# KiCad board rabbit_mask.kicad_pcb (continued)
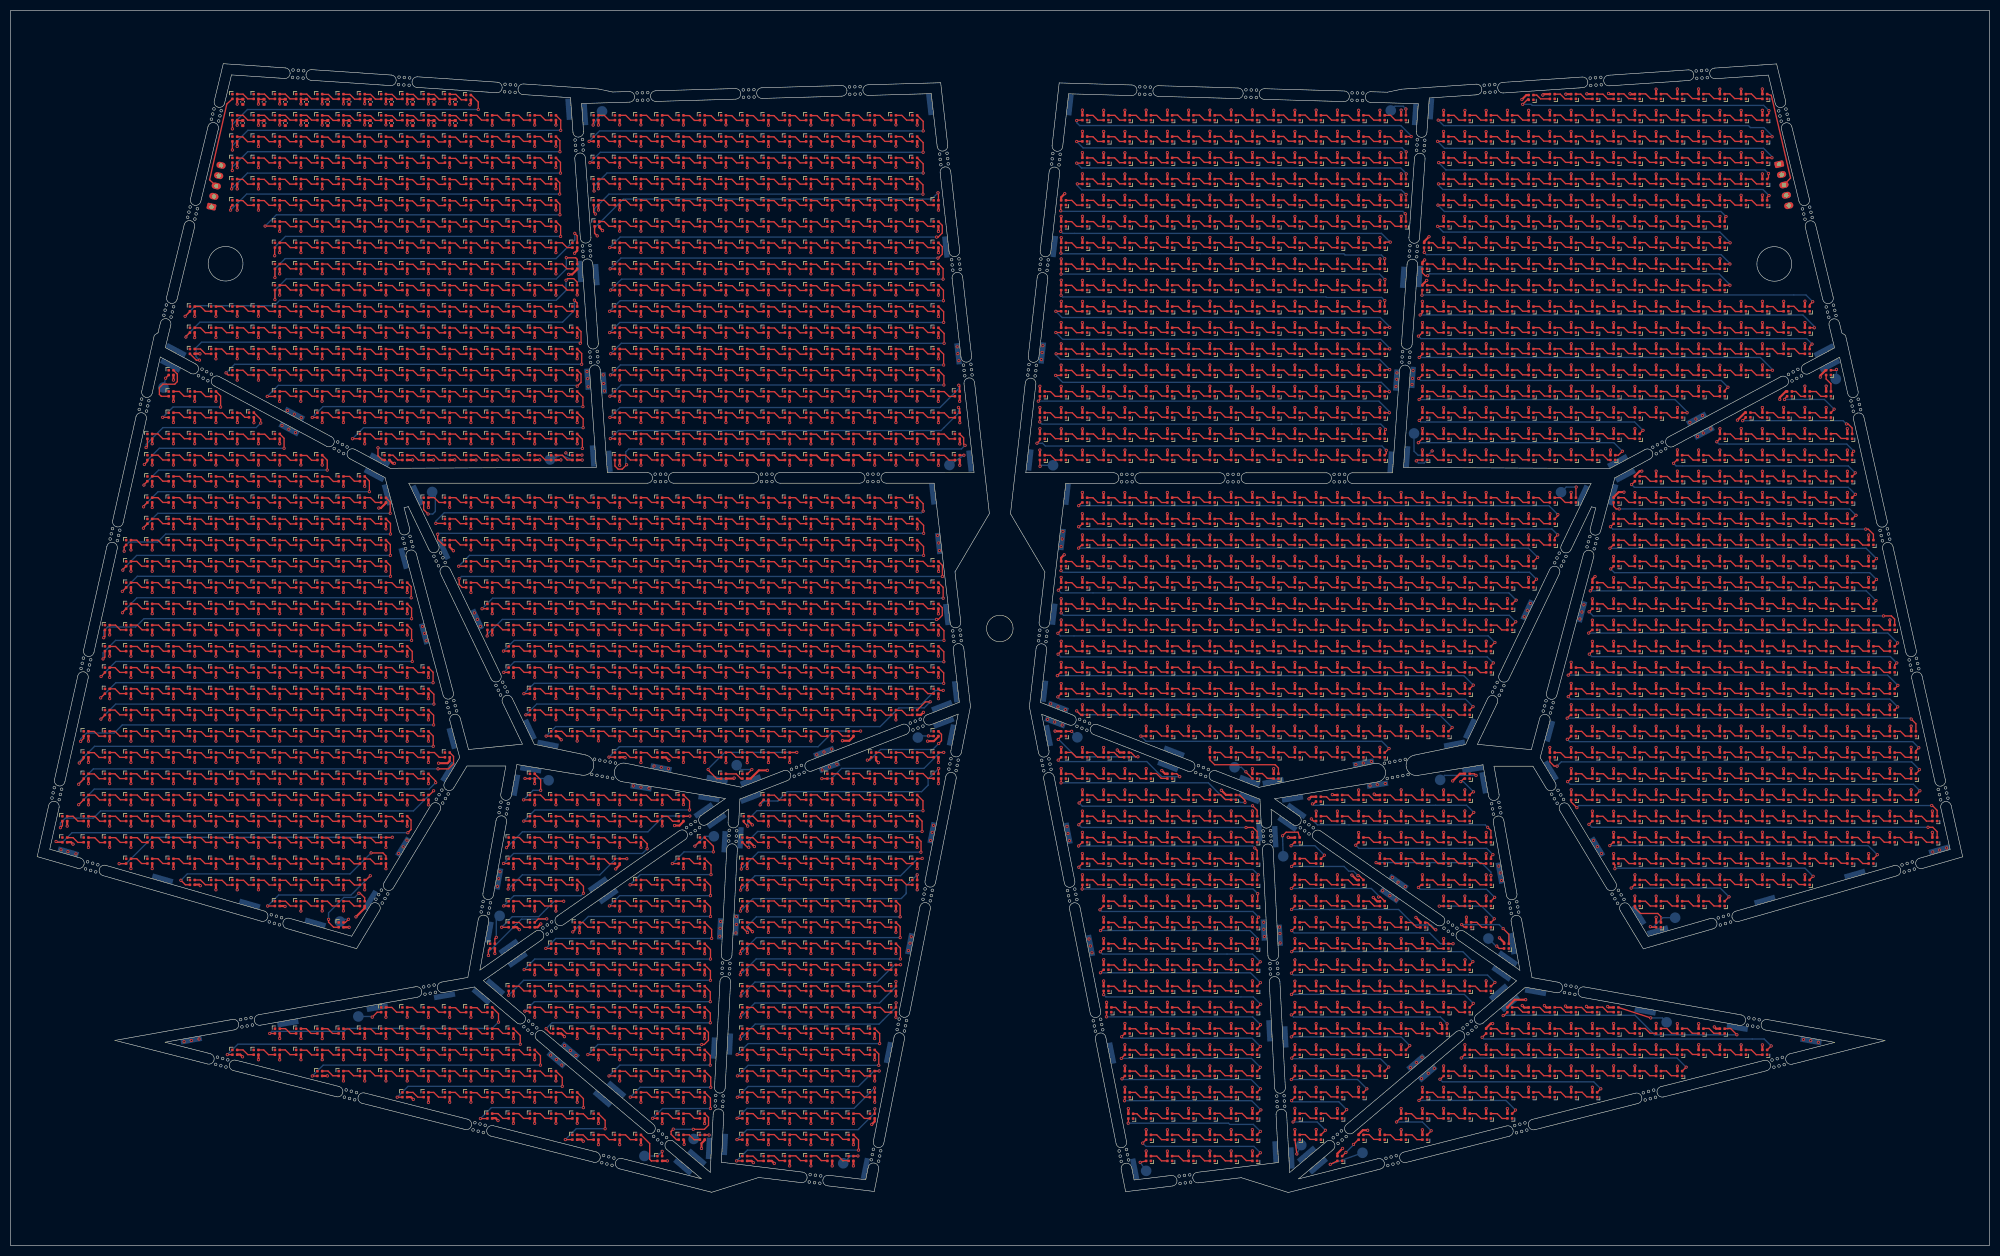
[diagram p0: board, top side]
## Routing (per net, layer and track width the routed paths; a pad name or vN(x,y) marks a point on that pad's centre or on a via; arc(x,y) is an arc through that point) (continued)
Net-(D2230-DIN): length 3.5
  Top w0.25: 234.56,124.85 235.66,124.85 236.56,123.95 237.66,123.95
Net-(D2231-DIN): length 3.5
  Top w0.25: 241.71,123.95 240.61,123.95 239.71,124.85 238.61,124.85
Net-(D2232-DIN): length 3.5
  Top w0.25: 245.76,123.9 244.66,123.9 243.76,124.8 242.66,124.8
Net-(D2233-DIN): length 3.5
  Top w0.25: 249.81,123.9 248.71,123.9 247.81,124.8 246.71,124.8
Net-(D2234-DIN): length 3.5
  Top w0.25: 253.71,123.9 252.61,123.9 251.71,124.8 250.61,124.8
Net-(D2235-DIN): length 3.5
  Top w0.25: 257.76,123.9 256.66,123.9 255.76,124.8 254.66,124.8
Net-(D2236-DIN): length 3.5
  Top w0.25: 261.74,123.9 260.64,123.9 259.74,124.8 258.64,124.8
Net-(D2237-DIN): length 3.5
  Top w0.25: 262.69,124.8 263.79,124.8 264.69,123.9 265.79,123.9
Net-(D2238-DIN): length 3.5
  Top w0.25: 266.59,124.8 267.69,124.8 268.59,123.9 269.69,123.9
Net-(D2239-DIN): length 3.5
  Top w0.25: 270.64,124.8 271.74,124.8 272.64,123.9 273.74,123.9
Net-(D2240-DIN): length 3.5
  Top w0.25: 277.76,123.9 276.66,123.9 275.76,124.8 274.66,124.8
Net-(D2241-DIN): length 3.5
  Top w0.25: 278.71,124.8 279.81,124.8 280.71,123.9 281.81,123.9
Net-(D2242-DIN): length 3.5
  Top w0.25: 285.71,123.9 284.61,123.9 283.71,124.8 282.61,124.8
Net-(D2244-DIN): length 3.5
  Top w0.25: 298.65,124.8 299.75,124.8 300.65,123.9 301.75,123.9
Net-(D2244-DOUT): length 56.2
  Top w0.25: D2293.1 351.12,121.29 v1(351.12,121.44) ; v1(297.35,123.26) 297.75,123.66 D2244.3
  Bottom w0.25: v1(297.35,123.26) 349.3,123.26 v1(351.12,121.44)
Net-(D2245-DIN): length 3.5
  Top w0.25: 305.85,123.9 304.75,123.9 303.85,124.8 302.75,124.8
Net-(D2246-DIN): length 3.5
  Top w0.25: 309.85,123.9 308.75,123.9 307.85,124.8 306.75,124.8
Net-(D2247-DIN): length 3.5
  Top w0.25: 310.65,124.8 311.75,124.8 312.65,123.9 313.75,123.9
Net-(D2248-DIN): length 3.5
  Top w0.25: 314.6,124.85 315.7,124.85 316.6,123.95 317.7,123.95
Net-(D2249-DIN): length 3.5
  Top w0.25: 318.7,124.85 319.8,124.85 320.7,123.95 321.8,123.95
Net-(D2250-DIN): length 3.5
  Top w0.25: 322.7,124.85 323.8,124.85 324.7,123.95 325.8,123.95
Net-(D2251-DIN): length 3.5
  Top w0.25: 326.6,124.85 327.7,124.85 328.6,123.95 329.7,123.95
Net-(D2252-DIN): length 3.5
  Top w0.25: 333.75,123.95 332.65,123.95 331.75,124.85 330.65,124.85
Net-(D2253-DIN): length 3.5
  Top w0.25: 337.65,123.95 336.55,123.95 335.65,124.85 334.55,124.85
Net-(D2254-DIN): length 3.5
  Top w0.25: 338.6,124.85 339.7,124.85 340.6,123.95 341.7,123.95
Net-(D2255-DIN): length 3.5
  Top w0.25: 345.75,123.9 344.65,123.9 343.75,124.8 342.65,124.8
Net-(D2256-DIN): length 3.5
  Top w0.25: 349.8,123.9 348.7,123.9 347.8,124.8 346.7,124.8
Net-(D2258-DIN): length 3.5
  Top w0.25: 198.66,120.8 199.76,120.8 200.66,119.9 201.76,119.9
Net-(D2258-DOUT): length 88
  Top w0.25: v1(197.75,119.11) D2258.3 ; D2315.1 282.7,116.81 v1(283.32,117.44)
  Bottom w0.25: v1(283.32,117.44) 282.1,118.66 198.2,118.66 v1(197.75,119.11)
Net-(D2259-DIN): length 3.5
  Top w0.25: 205.86,119.9 204.76,119.9 203.86,120.8 202.76,120.8
Net-(D2260-DIN): length 3.5
  Top w0.25: 209.86,119.9 208.76,119.9 207.86,120.8 206.76,120.8
Net-(D2261-DIN): length 3.5
  Top w0.25: 210.66,120.8 211.76,120.8 212.66,119.9 213.76,119.9
Net-(D2262-DIN): length 3.5
  Top w0.25: 214.61,120.85 215.71,120.85 216.61,119.95 217.71,119.95
Net-(D2263-DIN): length 3.5
  Top w0.25: 221.81,119.95 220.71,119.95 219.81,120.85 218.71,120.85
Net-(D2264-DIN): length 3.5
  Top w0.25: 222.71,120.85 223.81,120.85 224.71,119.95 225.81,119.95
Net-(D2265-DIN): length 3.5
  Top w0.25: 226.61,120.85 227.71,120.85 228.61,119.95 229.71,119.95
Net-(D2266-DIN): length 3.5
  Top w0.25: 233.76,119.95 232.66,119.95 231.76,120.85 230.66,120.85
Net-(D2267-DIN): length 3.5
  Top w0.25: 237.66,119.95 236.56,119.95 235.66,120.85 234.56,120.85
Net-(D2268-DIN): length 3.5
  Top w0.25: 241.71,119.95 240.61,119.95 239.71,120.85 238.61,120.85
Net-(D2269-DIN): length 3.5
  Top w0.25: 245.76,119.9 244.66,119.9 243.76,120.8 242.66,120.8
Net-(D2270-DIN): length 3.5
  Top w0.25: 249.81,119.9 248.71,119.9 247.81,120.8 246.71,120.8
Net-(D2271-DIN): length 3.5
  Top w0.25: 253.71,119.9 252.61,119.9 251.71,120.8 250.61,120.8
Net-(D2272-DIN): length 3.5
  Top w0.25: 257.76,119.9 256.66,119.9 255.76,120.8 254.66,120.8
Net-(D2273-DIN): length 3.5
  Top w0.25: 258.63,120.81 259.73,120.81 260.63,119.91 261.73,119.91
Net-(D2274-DIN): length 3.5
  Top w0.25: 265.78,119.91 264.68,119.91 263.78,120.81 262.68,120.81
Net-(D2275-DIN): length 3.5
  Top w0.25: 266.58,120.81 267.68,120.81 268.58,119.91 269.68,119.91
Net-(D2276-DIN): length 3.5
  Top w0.25: 273.73,119.91 272.63,119.91 271.73,120.81 270.63,120.81
Net-(D2277-DIN): length 3.5
  Top w0.25: 277.74,119.89 276.64,119.89 275.74,120.79 274.64,120.79
Net-(D2278-DIN): length 3.5
  Top w0.25: 281.79,119.89 280.69,119.89 279.79,120.79 278.69,120.79
Net-(D2280-DIN): length 3.5
  Top w0.25: D2281.3 300.65,119.91 299.75,120.81 D2280.1
Net-(D2280-DOUT): length 60.1
  Top w0.25: v1(352.55,118.54) 354.04,118.54 354.65,117.92 D2330.1 ; D2280.3 297.15,119.31 v1(297.12,119.31)
  Bottom w0.25: v1(297.12,119.31) 297.9,118.54 v1(352.55,118.54)
Net-(D2281-DIN): length 3.5
  Top w0.25: 305.85,119.91 304.75,119.91 303.85,120.81 302.75,120.81
Net-(D2282-DIN): length 3.5
  Top w0.25: 309.85,119.91 308.75,119.91 307.85,120.81 306.75,120.81
Net-(D2283-DIN): length 3.5
  Top w0.25: D2284.3 312.65,119.91 311.75,120.81 D2283.1
Net-(D2284-DIN): length 3.5
  Top w0.25: 314.6,120.86 315.7,120.86 316.6,119.96 317.7,119.96
Net-(D2285-DIN): length 3.5
  Top w0.25: 321.8,119.96 320.7,119.96 319.8,120.86 318.7,120.86
Net-(D2286-DIN): length 3.5
  Top w0.25: 325.8,119.96 324.7,119.96 323.8,120.86 322.7,120.86
Net-(D2287-DIN): length 3.5
  Top w0.25: 326.6,120.86 327.7,120.86 328.6,119.96 329.7,119.96
Net-(D2288-DIN): length 3.5
  Top w0.25: 330.65,120.86 331.75,120.86 332.65,119.96 333.75,119.96
Net-(D2289-DIN): length 3.5
  Top w0.25: 337.65,119.96 336.55,119.96 335.65,120.86 334.55,120.86
Net-(D2290-DIN): length 3.5
  Top w0.25: 341.7,119.96 340.6,119.96 339.7,120.86 338.6,120.86
Net-(D2291-DIN): length 3.5
  Top w0.25: D2291.1 343.75,120.81 344.65,119.91 D2292.3
Net-(D2292-DIN): length 3.5
  Top w0.25: 346.7,120.81 347.8,120.81 348.7,119.91 349.8,119.91
Net-(D2294-DIN): length 3.5
  Top w0.25: 201.75,115.9 200.65,115.9 199.75,116.8 198.65,116.8
Net-(D2294-DOUT): length 84.9
  Top w0.25: v1(197.12,115.26) 197.75,115.89 D2294.3 ; v1(279.4,113.54) 279.38,113.54 D2351.1
  Bottom w0.25: v1(197.12,115.26) 197.6,114.79 278.15,114.79 v1(279.4,113.54)
Net-(D2295-DIN): length 3.5
  Top w0.25: 202.75,116.8 203.85,116.8 204.75,115.9 205.85,115.9
Net-(D2296-DIN): length 3.5
  Top w0.25: 209.85,115.9 208.75,115.9 207.85,116.8 206.75,116.8
Net-(D2297-DIN): length 3.5
  Top w0.25: 210.65,116.8 211.75,116.8 212.65,115.9 213.75,115.9
Net-(D2298-DIN): length 3.5
  Top w0.25: 214.6,116.85 215.7,116.85 216.6,115.95 217.7,115.95
Net-(D2299-DIN): length 3.5
  Top w0.25: 221.8,115.95 220.7,115.95 219.8,116.85 218.7,116.85
Net-(D2300-DIN): length 3.5
  Top w0.25: 222.7,116.85 223.8,116.85 224.7,115.95 225.8,115.95
Net-(D2301-DIN): length 3.5
  Top w0.25: 226.6,116.85 227.7,116.85 228.6,115.95 229.7,115.95
Net-(D2302-DIN): length 3.5
  Top w0.25: 230.65,116.85 231.75,116.85 232.65,115.95 233.75,115.95
Net-(D2303-DIN): length 3.5
  Top w0.25: 234.55,116.85 235.65,116.85 236.55,115.95 237.65,115.95
Net-(D2304-DIN): length 3.5
  Top w0.25: 238.6,116.85 239.7,116.85 240.6,115.95 241.7,115.95
Net-(D2305-DIN): length 3.5
  Top w0.25: 245.75,115.9 244.65,115.9 243.75,116.8 242.65,116.8
Net-(D2306-DIN): length 3.5
  Top w0.25: 249.8,115.9 248.7,115.9 247.8,116.8 246.7,116.8
Net-(D2307-DIN): length 3.5
  Top w0.25: 253.7,115.9 252.6,115.9 251.7,116.8 250.6,116.8
Net-(D2308-DIN): length 3.5
  Top w0.25: 257.75,115.9 256.65,115.9 255.75,116.8 254.65,116.8
Net-(D2309-DIN): length 3.5
  Top w0.25: 258.64,116.8 259.74,116.8 260.64,115.9 261.74,115.9
Net-(D2310-DIN): length 3.5
  Top w0.25: 262.69,116.8 263.79,116.8 264.69,115.9 265.79,115.9
Net-(D2311-DIN): length 3.5
  Top w0.25: 266.59,116.8 267.69,116.8 268.59,115.9 269.69,115.9
Net-(D2312-DIN): length 3.5
  Top w0.25: 270.64,116.8 271.74,116.8 272.64,115.9 273.74,115.9
Net-(D2313-DIN): length 3.5
  Top w0.25: 277.74,115.9 276.64,115.9 275.74,116.8 274.64,116.8
Net-(D2314-DIN): length 3.5
  Top w0.25: 278.69,116.8 279.79,116.8 280.69,115.9 281.79,115.9
Net-(D2316-DIN): length 3.5
  Top w0.25: 298.65,116.82 299.75,116.82 300.65,115.92 301.75,115.92
Net-(D2316-DOUT): length 60.7
  Top w0.25: D2316.3 297.65,115.91 v1(297.05,115.31) ; D2366.1 355.2,113.36 v1(355.2,113.46)
  Bottom w0.25: v1(297.05,115.31) 353.35,115.31 v1(355.2,113.46)
Net-(D2317-DIN): length 3.5
  Top w0.25: 302.75,116.82 303.85,116.82 304.75,115.92 305.85,115.92
Net-(D2318-DIN): length 3.5
  Top w0.25: 309.85,115.92 308.75,115.92 307.85,116.82 306.75,116.82
Net-(D2319-DIN): length 3.5
  Top w0.25: 313.75,115.92 312.65,115.92 311.75,116.82 310.65,116.82
Net-(D2320-DIN): length 3.5
  Top w0.25: 314.6,116.87 315.7,116.87 316.6,115.97 317.7,115.97
Net-(D2321-DIN): length 3.5
  Top w0.25: 321.8,115.97 320.7,115.97 319.8,116.87 318.7,116.87
Net-(D2322-DIN): length 3.5
  Top w0.25: 325.8,115.97 324.7,115.97 323.8,116.87 322.7,116.87
Net-(D2323-DIN): length 3.5
  Top w0.25: 326.6,116.87 327.7,116.87 328.6,115.97 329.7,115.97
Net-(D2324-DIN): length 3.5
  Top w0.25: 333.75,115.97 332.65,115.97 331.75,116.87 330.65,116.87
Net-(D2325-DIN): length 3.5
  Top w0.25: 337.65,115.97 336.55,115.97 335.65,116.87 334.55,116.87
Net-(D2326-DIN): length 3.5
  Top w0.25: 338.6,116.87 339.7,116.87 340.6,115.97 341.7,115.97
Net-(D2327-DIN): length 3.5
  Top w0.25: 342.65,116.82 343.75,116.82 344.65,115.92 345.75,115.92
Net-(D2328-DIN): length 3.5
  Top w0.25: 349.8,115.92 348.7,115.92 347.8,116.82 346.7,116.82
Net-(D2329-DIN): length 3.5
  Top w0.25: 353.7,115.92 352.6,115.92 351.7,116.82 350.6,116.82
Net-(D2331-DIN): length 3.5
  Top w0.25: 198.64,112.81 199.74,112.81 200.64,111.91 201.74,111.91
Net-(D2331-DOUT): length 84.5
  Top w0.25: D2387.1 278.65,109.24 v1(279.1,109.69) ; v1(197.17,111.34) D2331.3
  Bottom w0.25: v1(279.1,109.69) 277.95,110.84 197.67,110.84 v1(197.17,111.34)
Net-(D2332-DIN): length 3.5
  Top w0.25: 202.74,112.81 203.84,112.81 204.74,111.91 205.84,111.91
Net-(D2333-DIN): length 3.5
  Top w0.25: 209.84,111.91 208.74,111.91 207.84,112.81 206.74,112.81
Net-(D2334-DIN): length 3.5
  Top w0.25: 210.64,112.81 211.74,112.81 212.64,111.91 213.74,111.91
Net-(D2335-DIN): length 3.5
  Top w0.25: 214.59,112.86 215.69,112.86 216.59,111.96 217.69,111.96
Net-(D2336-DIN): length 3.5
  Top w0.25: 218.69,112.86 219.79,112.86 220.69,111.96 221.79,111.96
Net-(D2337-DIN): length 3.5
  Top w0.25: 225.79,111.96 224.69,111.96 223.79,112.86 222.69,112.86
Net-(D2338-DIN): length 3.5
  Top w0.25: 226.59,112.86 227.69,112.86 228.59,111.96 229.69,111.96
Net-(D2339-DIN): length 3.5
  Top w0.25: 230.64,112.86 231.74,112.86 232.64,111.96 233.74,111.96
Net-(D2340-DIN): length 3.5
  Top w0.25: 237.64,111.96 236.54,111.96 235.64,112.86 234.54,112.86
Net-(D2341-DIN): length 3.5
  Top w0.25: 241.69,111.96 240.59,111.96 239.69,112.86 238.59,112.86
Net-(D2342-DIN): length 3.5
  Top w0.25: 245.74,111.91 244.64,111.91 243.74,112.81 242.64,112.81
Net-(D2343-DIN): length 3.5
  Top w0.25: 249.79,111.91 248.69,111.91 247.79,112.81 246.69,112.81
Net-(D2344-DIN): length 3.5
  Top w0.25: 250.59,112.81 251.69,112.81 252.59,111.91 253.69,111.91
Net-(D2345-DIN): length 3.5
  Top w0.25: 254.64,112.81 255.74,112.81 256.64,111.91 257.74,111.91
Net-(D2346-DIN): length 3.5
  Top w0.25: 258.64,112.8 259.74,112.8 260.64,111.9 261.74,111.9
Net-(D2347-DIN): length 3.5
  Top w0.25: 265.79,111.9 264.69,111.9 263.79,112.8 262.69,112.8
Net-(D2348-DIN): length 3.5
  Top w0.25: 269.69,111.9 268.59,111.9 267.69,112.8 266.59,112.8
Net-(D2349-DIN): length 3.5
  Top w0.25: 273.74,111.9 272.64,111.9 271.74,112.8 270.64,112.8
Net-(D2350-DIN): length 3.5
  Top w0.25: 277.76,111.91 276.66,111.91 275.76,112.81 274.66,112.81
Net-(D2352-DIN): length 3.5
  Top w0.25: D2352.1 299.75,112.81 300.65,111.91 D2353.3
Net-(D2352-DOUT): length 60.4
  Top w0.25: v1(355.05,109.69) 354.65,109.29 D2403.1 ; v1(297.18,111.34) D2352.3
  Bottom w0.25: v1(355.05,109.69) 353.85,110.89 297.62,110.89 v1(297.18,111.34)
Net-(D2353-DIN): length 3.5
  Top w0.25: 305.85,111.91 304.75,111.91 303.85,112.81 302.75,112.81
Net-(D2354-DIN): length 3.5
  Top w0.25: 309.85,111.91 308.75,111.91 307.85,112.81 306.75,112.81
Net-(D2355-DIN): length 3.5
  Top w0.25: D2356.3 312.65,111.91 311.75,112.81 D2355.1
Net-(D2356-DIN): length 3.5
  Top w0.25: 314.6,112.86 315.7,112.86 316.6,111.96 317.7,111.96
Net-(D2357-DIN): length 3.5
  Top w0.25: 318.7,112.86 319.8,112.86 320.7,111.96 321.8,111.96
Net-(D2358-DIN): length 3.5
  Top w0.25: 325.8,111.96 324.7,111.96 323.8,112.86 322.7,112.86
Net-(D2359-DIN): length 3.5
  Top w0.25: 326.6,112.86 327.7,112.86 328.6,111.96 329.7,111.96
Net-(D2360-DIN): length 3.5
  Top w0.25: 330.65,112.86 331.75,112.86 332.65,111.96 333.75,111.96
Net-(D2361-DIN): length 3.5
  Top w0.25: 337.65,111.96 336.55,111.96 335.65,112.86 334.55,112.86
Net-(D2362-DIN): length 3.5
  Top w0.25: 338.6,112.86 339.7,112.86 340.6,111.96 341.7,111.96
Net-(D2363-DIN): length 3.5
  Top w0.25: D2364.3 344.65,111.91 343.75,112.81 D2363.1
Net-(D2364-DIN): length 3.5
  Top w0.25: 349.8,111.91 348.7,111.91 347.8,112.81 346.7,112.81
Net-(D2365-DIN): length 3.5
  Top w0.25: 350.6,112.81 351.7,112.81 352.6,111.91 353.7,111.91
Net-(D2367-DIN): length 3.5
  Top w0.25: 201.74,107.92 200.64,107.92 199.74,108.82 198.64,108.82
Net-(D2367-DOUT): length 81
  Top w0.25: D2423.1 275.32,105.49 v1(275.32,105.51) ; D2367.3 197.65,107.91 v1(197.02,107.29)
  Bottom w0.25: v1(197.02,107.29) 273.55,107.29 v1(275.32,105.51)
Net-(D2368-DIN): length 3.5
  Top w0.25: 202.74,108.82 203.84,108.82 204.74,107.92 205.84,107.92
Net-(D2369-DIN): length 3.5
  Top w0.25: 206.74,108.82 207.84,108.82 208.74,107.92 209.84,107.92
Net-(D2370-DIN): length 3.5
  Top w0.25: 213.74,107.92 212.64,107.92 211.74,108.82 210.64,108.82
Net-(D2371-DIN): length 3.5
  Top w0.25: 217.69,107.97 216.59,107.97 215.69,108.87 214.59,108.87
Net-(D2372-DIN): length 3.5
  Top w0.25: 218.69,108.87 219.79,108.87 220.69,107.97 221.79,107.97
Net-(D2373-DIN): length 3.5
  Top w0.25: 222.69,108.87 223.79,108.87 224.69,107.97 225.79,107.97
Net-(D2374-DIN): length 3.5
  Top w0.25: 226.59,108.87 227.69,108.87 228.59,107.97 229.69,107.97
Net-(D2375-DIN): length 3.5
  Top w0.25: 233.74,107.97 232.64,107.97 231.74,108.87 230.64,108.87
Net-(D2376-DIN): length 3.5
  Top w0.25: 237.64,107.97 236.54,107.97 235.64,108.87 234.54,108.87
Net-(D2377-DIN): length 3.5
  Top w0.25: 241.69,107.97 240.59,107.97 239.69,108.87 238.59,108.87
Net-(D2378-DIN): length 3.5
  Top w0.25: 245.74,107.92 244.64,107.92 243.74,108.82 242.64,108.82
Net-(D2379-DIN): length 3.5
  Top w0.25: 246.69,108.82 247.79,108.82 248.69,107.92 249.79,107.92
Net-(D2380-DIN): length 3.5
  Top w0.25: 250.59,108.82 251.69,108.82 252.59,107.92 253.69,107.92
Net-(D2381-DIN): length 3.5
  Top w0.25: 254.64,108.82 255.74,108.82 256.64,107.92 257.74,107.92
Net-(D2382-DIN): length 3.5
  Top w0.25: D2383.3 260.65,107.91 259.75,108.81 D2382.1
Net-(D2383-DIN): length 3.5
  Top w0.25: 262.7,108.81 263.8,108.81 264.7,107.91 265.8,107.91
Net-(D2384-DIN): length 3.5
  Top w0.25: 269.7,107.91 268.6,107.91 267.7,108.81 266.6,108.81
Net-(D2385-DIN): length 3.5
  Top w0.25: D2385.1 271.75,108.81 272.65,107.91 D2386.3
Net-(D2386-DIN): length 3.5
  Top w0.25: 277.76,107.88 276.66,107.88 275.76,108.78 274.66,108.78
Net-(D2388-DIN): length 3.5
  Top w0.25: 297.75,107.9 296.65,107.9 295.75,108.8 294.65,108.8
Net-(D2388-DOUT): length 64.5
  Top w0.25: v1(293.2,107.39) 293.72,107.91 D2388.3 ; D2439.1 355.25,105.41 v1(355.25,105.46)
  Bottom w0.25: v1(355.25,105.46) 353.32,107.39 v1(293.2,107.39)
Net-(D2389-DIN): length 3.5
  Top w0.25: 301.85,107.9 300.75,107.9 299.85,108.8 298.75,108.8
Net-(D2390-DIN): length 3.5
  Top w0.25: 302.75,108.8 303.85,108.8 304.75,107.9 305.85,107.9
Net-(D2391-DIN): length 3.5
  Top w0.25: 309.75,107.9 308.65,107.9 307.75,108.8 306.65,108.8
Net-(D2392-DIN): length 3.5
  Top w0.25: 310.6,108.85 311.7,108.85 312.6,107.95 313.7,107.95
Net-(D2393-DIN): length 3.5
  Top w0.25: 314.7,108.85 315.8,108.85 316.7,107.95 317.8,107.95
Net-(D2394-DIN): length 3.5
  Top w0.25: 321.8,107.95 320.7,107.95 319.8,108.85 318.7,108.85
Net-(D2395-DIN): length 3.5
  Top w0.25: 325.7,107.95 324.6,107.95 323.7,108.85 322.6,108.85
Net-(D2396-DIN): length 3.5
  Top w0.25: 329.75,107.95 328.65,107.95 327.75,108.85 326.65,108.85
Net-(D2397-DIN): length 3.5
  Top w0.25: 330.55,108.85 331.65,108.85 332.55,107.95 333.65,107.95
Net-(D2398-DIN): length 3.5
  Top w0.25: 337.7,107.95 336.6,107.95 335.7,108.85 334.6,108.85
Net-(D2399-DIN): length 3.5
  Top w0.25: 338.65,108.8 339.75,108.8 340.65,107.9 341.75,107.9
Net-(D2400-DIN): length 3.5
  Top w0.25: 342.7,108.8 343.8,108.8 344.7,107.9 345.8,107.9
Net-(D2401-DIN): length 3.5
  Top w0.25: 349.7,107.9 348.6,107.9 347.7,108.8 346.6,108.8
Net-(D2402-DIN): length 3.5
  Top w0.25: 353.75,107.9 352.65,107.9 351.75,108.8 350.65,108.8
Net-(D2404-DIN): length 3.5
  Top w0.25: 198.64,104.81 199.74,104.81 200.64,103.91 201.74,103.91
Net-(D2404-DOUT): length 80.7
  Top w0.25: D2458.1 274.65,100.84 v1(275.27,101.46) ; v1(197.12,103.29) D2404.3
  Bottom w0.25: v1(197.12,103.29) 197.55,102.86 273.88,102.86 v1(275.27,101.46)
Net-(D2405-DIN): length 3.5
  Top w0.25: 202.74,104.81 203.84,104.81 204.74,103.91 205.84,103.91
Net-(D2406-DIN): length 3.5
  Top w0.25: 206.74,104.81 207.84,104.81 208.74,103.91 209.84,103.91
Net-(D2407-DIN): length 3.5
  Top w0.25: 210.64,104.81 211.74,104.81 212.64,103.91 213.74,103.91
Net-(D2408-DIN): length 3.5
  Top w0.25: 214.59,104.86 215.69,104.86 216.59,103.96 217.69,103.96
Net-(D2409-DIN): length 3.5
  Top w0.25: 218.69,104.86 219.79,104.86 220.69,103.96 221.79,103.96
Net-(D2410-DIN): length 3.5
  Top w0.25: 222.69,104.86 223.79,104.86 224.69,103.96 225.79,103.96
Net-(D2411-DIN): length 3.5
  Top w0.25: 229.69,103.96 228.59,103.96 227.69,104.86 226.59,104.86
Net-(D2412-DIN): length 3.5
  Top w0.25: 230.64,104.86 231.74,104.86 232.64,103.96 233.74,103.96
Net-(D2413-DIN): length 3.5
  Top w0.25: 234.54,104.86 235.64,104.86 236.54,103.96 237.64,103.96
Net-(D2414-DIN): length 3.5
  Top w0.25: 238.59,104.86 239.69,104.86 240.59,103.96 241.69,103.96
Net-(D2415-DIN): length 3.5
  Top w0.25: 245.74,103.91 244.64,103.91 243.74,104.81 242.64,104.81
Net-(D2416-DIN): length 3.5
  Top w0.25: 249.79,103.91 248.69,103.91 247.79,104.81 246.69,104.81
Net-(D2417-DIN): length 3.5
  Top w0.25: 250.59,104.81 251.69,104.81 252.59,103.91 253.69,103.91
Net-(D2418-DIN): length 3.5
  Top w0.25: 257.74,103.91 256.64,103.91 255.74,104.81 254.64,104.81
Net-(D2419-DIN): length 3.5
  Top w0.25: 261.75,103.9 260.65,103.9 259.75,104.8 258.65,104.8
Net-(D2420-DIN): length 3.5
  Top w0.25: 265.8,103.9 264.7,103.9 263.8,104.8 262.7,104.8
Net-(D2421-DIN): length 3.5
  Top w0.25: 266.6,104.8 267.7,104.8 268.6,103.9 269.7,103.9
Net-(D2422-DIN): length 3.5
  Top w0.25: 273.75,103.9 272.65,103.9 271.75,104.8 270.65,104.8
Net-(D2424-DIN): length 3.5
  Top w0.25: 294.65,104.8 295.75,104.8 296.65,103.9 297.75,103.9
Net-(D2424-DOUT): length 64.5
  Top w0.25: D2424.3 293.2,103.36 v1(293.2,103.34) ; v1(355.22,101.41) 354.65,100.84 D2474.1
  Bottom w0.25: v1(355.22,101.41) 353.75,102.89 293.65,102.89 v1(293.2,103.34)
Net-(D2425-DIN): length 3.5
  Top w0.25: 301.85,103.9 300.75,103.9 299.85,104.8 298.75,104.8
Net-(D2426-DIN): length 3.5
  Top w0.25: 305.85,103.9 304.75,103.9 303.85,104.8 302.75,104.8
Net-(D2427-DIN): length 3.5
  Top w0.25: 309.75,103.9 308.65,103.9 307.75,104.8 306.65,104.8
Net-(D2428-DIN): length 3.5
  Top w0.25: 310.6,104.85 311.7,104.85 312.6,103.95 313.7,103.95
Net-(D2429-DIN): length 3.5
  Top w0.25: 314.7,104.85 315.8,104.85 316.7,103.95 317.8,103.95
Net-(D2430-DIN): length 3.5
  Top w0.25: 318.7,104.85 319.8,104.85 320.7,103.95 321.8,103.95
Net-(D2431-DIN): length 3.5
  Top w0.25: 325.7,103.95 324.6,103.95 323.7,104.85 322.6,104.85
Net-(D2432-DIN): length 3.5
  Top w0.25: 329.75,103.95 328.65,103.95 327.75,104.85 326.65,104.85
Net-(D2433-DIN): length 3.5
  Top w0.25: 333.65,103.95 332.55,103.95 331.65,104.85 330.55,104.85
Net-(D2434-DIN): length 3.5
  Top w0.25: 334.6,104.85 335.7,104.85 336.6,103.95 337.7,103.95
Net-(D2435-DIN): length 3.5
  Top w0.25: 341.75,103.9 340.65,103.9 339.75,104.8 338.65,104.8
Net-(D2436-DIN): length 3.5
  Top w0.25: 342.7,104.8 343.8,104.8 344.7,103.9 345.8,103.9
Net-(D2437-DIN): length 3.5
  Top w0.25: 349.7,103.9 348.6,103.9 347.7,104.8 346.6,104.8
Net-(D2438-DIN): length 3.5
  Top w0.25: 353.75,103.9 352.65,103.9 351.75,104.8 350.65,104.8
Net-(D2440-DIN): length 3.5
  Top w0.25: 205.74,99.9 204.64,99.9 203.74,100.8 202.64,100.8
Net-(D2440-DOUT): length 74.4
  Top w0.25: D2490.1 271.35,97.51 v1(271.35,97.54) ; v1(200.67,100.66) 201.42,99.91 D2440.3
  Bottom w0.25: v1(200.67,100.66) 201.4,99.94 268.95,99.94 v1(271.35,97.54)
Net-(D2441-DIN): length 3.5
  Top w0.25: 206.74,100.8 207.84,100.8 208.74,99.9 209.84,99.9
Net-(D2442-DIN): length 3.5
  Top w0.25: 213.84,99.9 212.74,99.9 211.84,100.8 210.74,100.8
Net-(D2443-DIN): length 3.5
  Top w0.25: 217.74,99.9 216.64,99.9 215.74,100.8 214.64,100.8
Net-(D2444-DIN): length 3.5
  Top w0.25: 221.69,99.95 220.59,99.95 219.69,100.85 218.59,100.85
Net-(D2445-DIN): length 3.5
  Top w0.25: 225.79,99.95 224.69,99.95 223.79,100.85 222.69,100.85
Net-(D2446-DIN): length 3.5
  Top w0.25: 226.69,100.85 227.79,100.85 228.69,99.95 229.79,99.95
Net-(D2447-DIN): length 3.5
  Top w0.25: 233.69,99.95 232.59,99.95 231.69,100.85 230.59,100.85
Net-(D2448-DIN): length 3.5
  Top w0.25: 237.74,99.95 236.64,99.95 235.74,100.85 234.64,100.85
Net-(D2449-DIN): length 3.5
  Top w0.25: 238.54,100.85 239.64,100.85 240.54,99.95 241.64,99.95
Net-(D2450-DIN): length 3.5
  Top w0.25: 245.69,99.95 244.59,99.95 243.69,100.85 242.59,100.85
Net-(D2451-DIN): length 3.5
  Top w0.25: 246.64,100.8 247.74,100.8 248.64,99.9 249.74,99.9
Net-(D2452-DIN): length 3.5
  Top w0.25: 253.79,99.9 252.69,99.9 251.79,100.8 250.69,100.8
Net-(D2453-DIN): length 3.5
  Top w0.25: 257.69,99.9 256.59,99.9 255.69,100.8 254.59,100.8
Net-(D2454-DIN): length 3.5
  Top w0.25: 258.64,100.8 259.74,100.8 260.64,99.9 261.74,99.9
Net-(D2455-DIN): length 3.5
  Top w0.25: 265.75,99.88 264.65,99.88 263.75,100.78 262.65,100.78
Net-(D2456-DIN): length 3.5
  Top w0.25: 269.8,99.88 268.7,99.88 267.8,100.78 266.7,100.78
Net-(D2457-DIN): length 3.5
  Top w0.25: 270.6,100.78 271.7,100.78 272.6,99.88 273.7,99.88
Net-(D2459-DIN): length 3.5
  Top w0.25: 294.65,100.82 295.75,100.82 296.65,99.92 297.75,99.92
Net-(D2459-DOUT): length 68.5
  Top w0.25: v1(357.77,99.11) 358.65,98.24 D2507.1 ; D2459.3 293.62,99.91 v1(293,99.29)
  Bottom w0.25: v1(293,99.29) 357.6,99.29 v1(357.77,99.11)
Net-(D2460-DIN): length 3.5
  Top w0.25: 301.85,99.92 300.75,99.92 299.85,100.82 298.75,100.82
Net-(D2461-DIN): length 3.5
  Top w0.25: 302.75,100.82 303.85,100.82 304.75,99.92 305.85,99.92
Net-(D2462-DIN): length 3.5
  Top w0.25: 306.65,100.82 307.75,100.82 308.65,99.92 309.75,99.92
Net-(D2463-DIN): length 3.5
  Top w0.25: 313.7,99.97 312.6,99.97 311.7,100.87 310.6,100.87
Net-(D2464-DIN): length 3.5
  Top w0.25: 314.7,100.87 315.8,100.87 316.7,99.97 317.8,99.97
Net-(D2465-DIN): length 3.5
  Top w0.25: 318.7,100.87 319.8,100.87 320.7,99.97 321.8,99.97
Net-(D2466-DIN): length 3.5
  Top w0.25: 325.7,99.97 324.6,99.97 323.7,100.87 322.6,100.87
Net-(D2467-DIN): length 3.5
  Top w0.25: 329.75,99.97 328.65,99.97 327.75,100.87 326.65,100.87
Net-(D2468-DIN): length 3.5
  Top w0.25: 333.65,99.97 332.55,99.97 331.65,100.87 330.55,100.87
Net-(D2469-DIN): length 3.5
  Top w0.25: 334.6,100.87 335.7,100.87 336.6,99.97 337.7,99.97
Net-(D2470-DIN): length 3.5
  Top w0.25: 338.65,100.82 339.75,100.82 340.65,99.92 341.75,99.92
Net-(D2471-DIN): length 3.5
  Top w0.25: 342.7,100.82 343.8,100.82 344.7,99.92 345.8,99.92
Net-(D2472-DIN): length 3.5
  Top w0.25: 349.7,99.92 348.6,99.92 347.7,100.82 346.6,100.82
Net-(D2473-DIN): length 3.5
  Top w0.25: 350.65,100.82 351.75,100.82 352.65,99.92 353.75,99.92
Net-(D2475-DOUT): length 19.2
  Top w0.25: v1(212.2,92.01) 211.72,92.01 210.92,92.81 D2511.1 ; D2475.3 197.75,95.84 v1(197.2,95.29)
  Bottom w0.25: v1(197.2,95.29) 197.28,95.29 200.55,92.01 v1(212.2,92.01)
Net-(D2476-DIN): length 3.5
  Top w0.25: 214.64,96.82 215.74,96.82 216.64,95.92 217.74,95.92
Net-(D2476-DOUT): length 49.8
  Top w0.25: D2520.1 258.72,92.81 v1(259.47,93.56) ; v1(212.75,95.91) D2476.3
  Bottom w0.25: v1(212.75,95.91) 213.72,94.94 258.1,94.94 v1(259.47,93.56)
Net-(D2477-DIN): length 3.5
  Top w0.25: 218.74,96.82 219.84,96.82 220.74,95.92 221.84,95.92
Net-(D2478-DIN): length 3.5
  Top w0.25: 225.84,95.92 224.74,95.92 223.84,96.82 222.74,96.82
Net-(D2479-DIN): length 3.5
  Top w0.25: 226.64,96.82 227.74,96.82 228.64,95.92 229.74,95.92
